# Altium PCB MC21R01.PcbDoc (part 2 of 5) (continued)
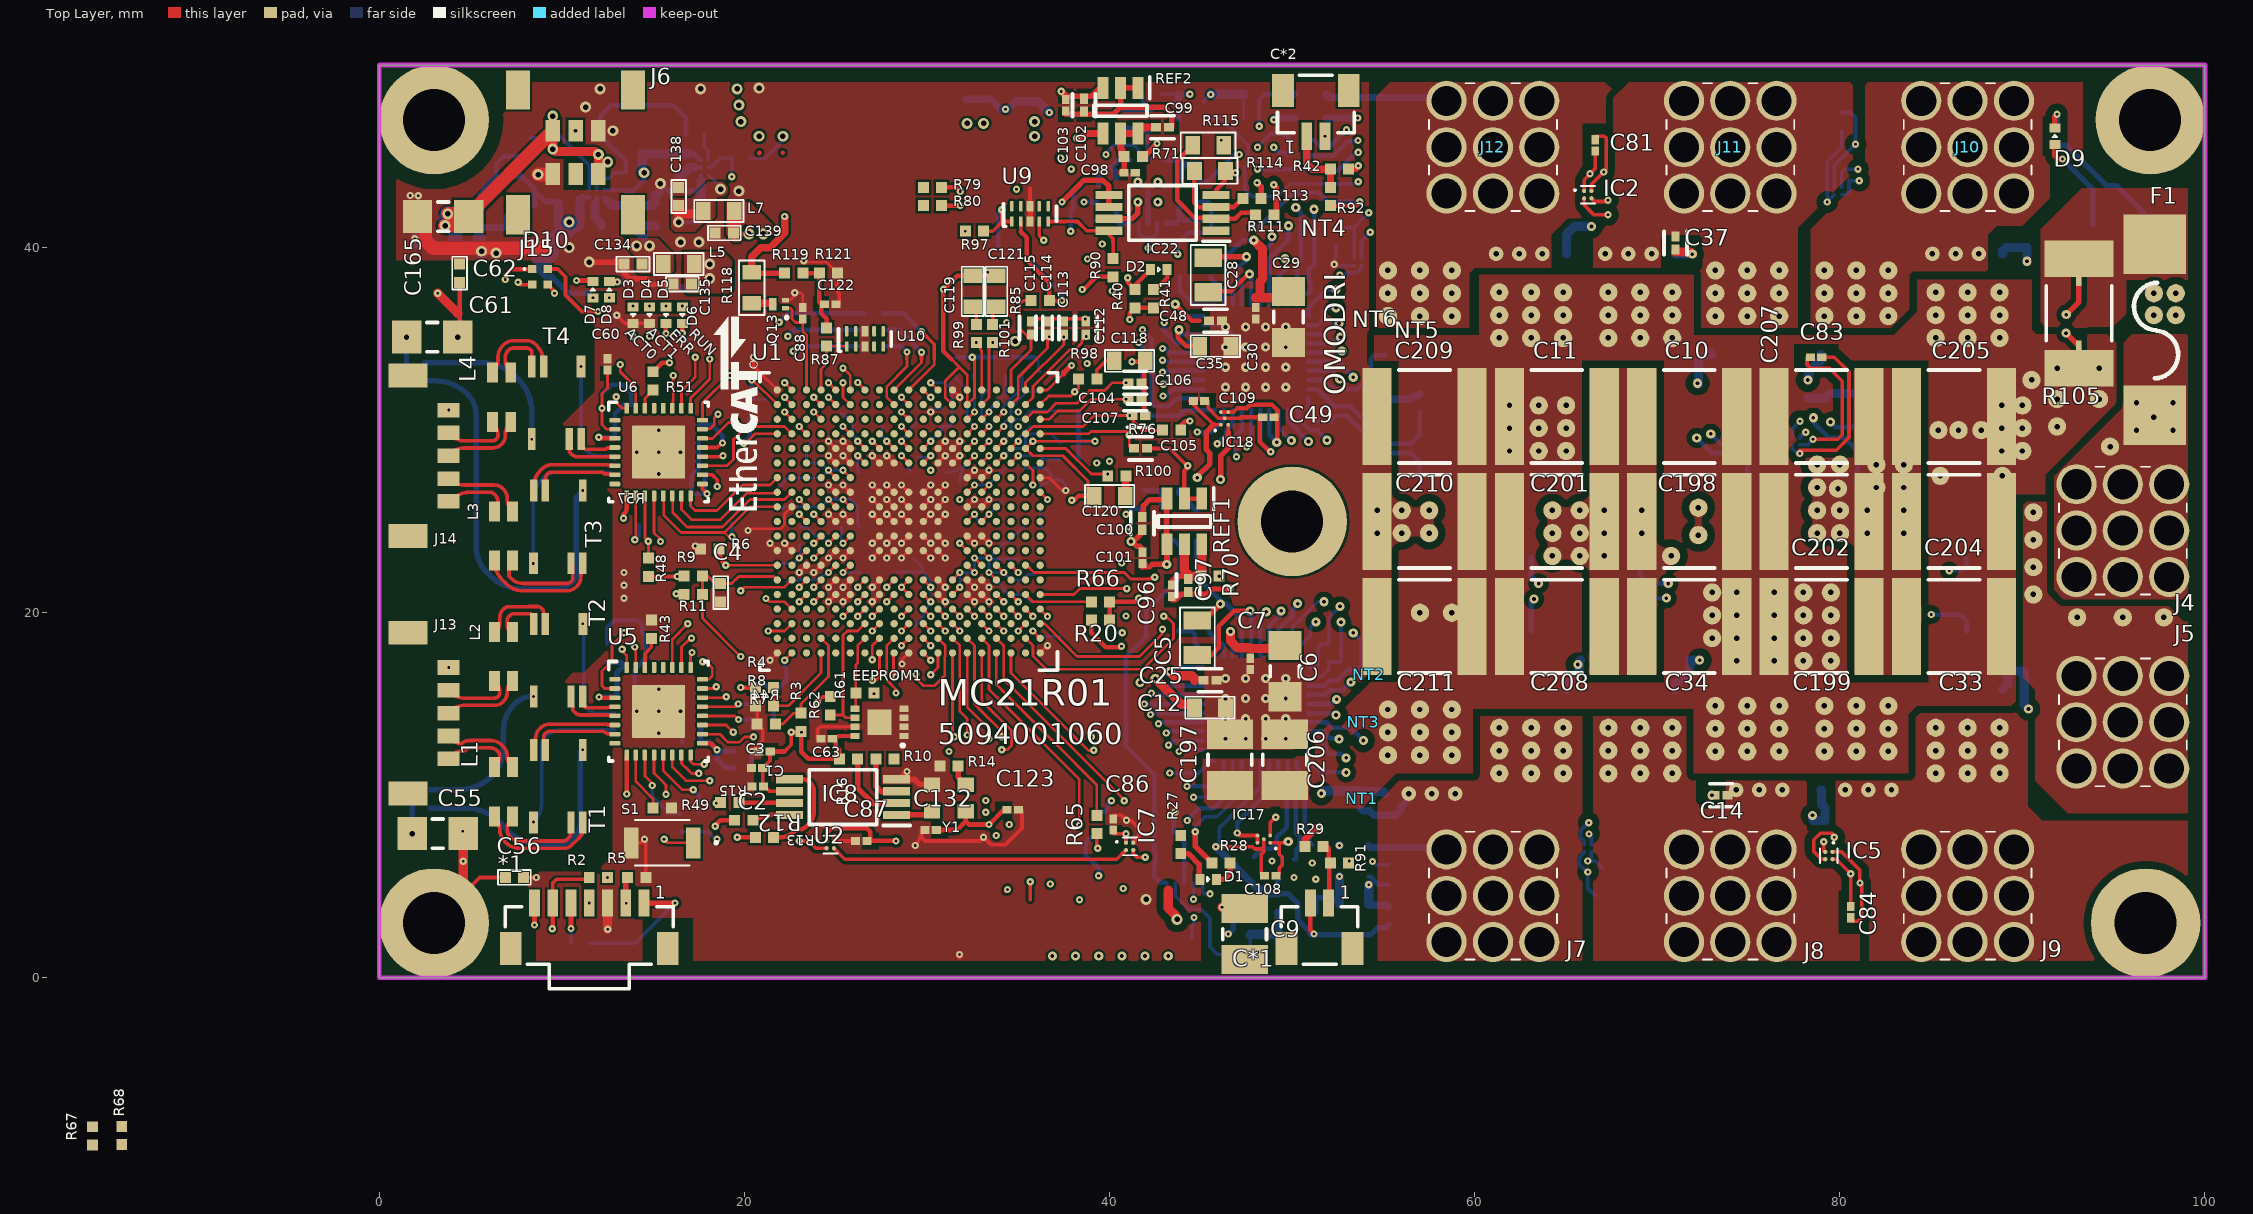
[diagram p0: Top Layer view]
## Part data (continued)
R24 R25 R26 R37 R38 R39: library part "0.005R/3W 1% 2512 Shunt", "0.005R/3W 1% 2512 shunt SMD Resistor", Manufacturer 1=Bourns, Manufacturer Part Number 1=CRE2512-FZ-R005E-3, Supplier Part Number 1=2434014, Supplier 1=Farnell
R33: library part "47K/50V 1% 0402 100mW", "47K/50V 1% 0402 100mW SMD Resistor", Manufacturer 1=Vishay, Manufacturer Part Number 1=CRCW060347K0FKEA, Supplier Part Number 1=1469811, Supplier 1=Farnell
R43 R44 R46 R51 R52 R54: library part "2.49K/50V 1% 0402 100mW", "2.49K/50V 1% 0402 100mW SMD Resistor", Manufacturer 1=Vishay, Manufacturer Part Number 1=CRCW04022K49FKED, Supplier Part Number 1=1469690, Supplier 1=Farnell
R45 R47 R53 R55: library part "75R/50V 1% 0402 100mW", "75R/50V 1% 0402 100mW SMD Resistor", Manufacturer 1=Vishay, Manufacturer Part Number 1=RC0402FR-071KL, Supplier Part Number 1=1469734, Supplier 1=Farnell
R49 R57: library part "6.49K/50V 1% 0402 100mW", "6.49K/50V 1% 0402 100mW SMD Resistor", Manufacturer 1=Vishay, Manufacturer Part Number 1=CRCW04026K49FKED, Supplier Part Number 1=1469727, Supplier 1=Farnell
R73 R74 R75 R76 R79 R80 R82 R83 R84 R85 R89 R90 R91 R92 R94 R95 R96 R97: library part "56R/50V 1% 0402 100mW", "56R/50V 1% 0402 100mW SMD Resistor", Manufacturer 1=Vishay, Manufacturer Part Number 1=CRCW040256R0FKEDHP, Supplier Part Number 1=1738833, Supplier 1=Farnell
R98 R99 R100 R101: library part "0.1R/50V 1% 0402 100mW", "0.1R/50V 1% 0402 100mW SMD Resistor", Manufacturer 1=Yageo, Manufacturer Part Number 1=RC0402FR-071KL, Supplier Part Number 1=1284586, Supplier 1=Farnell
R104 R110 R117 R119: library part "100k/50V 1% 0402 100mW", "100k/50V 1% 0402 100mW SMD Resistor", Manufacturer 1=Vishay, Manufacturer Part Number 1=CRCW0402100KFKED, Supplier Part Number 1=1469671, Supplier 1=Farnell
R105: library part "0.001R/5W 1% 2512 Shunt", "0.001R/5W 1% 2512 shunt SMD Resistor", Manufacturer 1=Bourns, Manufacturer Part Number 1=CSS2H-2512R-1L00F, Supplier Part Number 1=2576347, Supplier 1=Farnell
R111 R113: library part "0R/100V 1% 0402 63mW", "0R/100V 1% 0402 63mW SMD Resistor", Manufacturer 1=Bourns, Manufacturer Part Number 1=CR0402-J/-000GAS, Supplier Part Number 1=2752981, Supplier 1=Farnell
R118: library part "4K7/75V 5% 0603 100mW", "4K7/75V 5% 0603 100mW SMD Resistor", Manufacturer 1=Yageo, Manufacturer Part Number 1=RC0603JR-074K7L, Supplier Part Number 1=9233466, Supplier 1=Farnell
R123 R124 R125 R126 R127 R128: library part "0.001R/0.5W 1% 2010 Shunt", "0.001R/0.5W 1% 2010 shunt SMD Resistor", Manufacturer 1=Vishay, Manufacturer Part Number 1=WSL20101L000FEA, Supplier Part Number 1=2678801RL, Supplier 1=Farnell
REF1: "3V3 Low-drift Low power Voltage reference 10ppm/ºC", Manufacturer_Name="Texas Instruments", Supplier Part Number 1=595-REF3433IDBVR, Datasheet Link=http://www.ti.com/lit/gpn/ref3430, Height=1.45mm, Manufacturer_Part_Number=REF3433IDBVR, Supplier 1=Mouser
REF2: "3V Low-drift Low power Voltage reference 10ppm/ºC", Manufacturer_Name="Texas Instruments", Supplier Part Number 1=595-REF3430IDBVR, Datasheet Link=http://www.ti.com/lit/gpn/ref3430, Height=1.45mm, Manufacturer_Part_Number=REF3430IDBVR, Supplier 1=Mouser
S1: "Tactile switch, top actuator", Manufacturer="Omron Electronics", Supplier Part Number 1=653-B3U-1000PM, Arrow Part Number=B3U-1000PM, Created by=AMP, Datasheet Link=https://componentsearchengine.com/Datasheets/1/B3U-1000PM.pdf, Height=1.75mm, Manufacturer Part Number=B3U-1000PM, Mouser Price/Stock=https://www.mouser.co.uk/ProductDetail/Omron-Electronics/B3U-1000PM?qs=hnUcNC2tU0oiJUWqjOlHqA%3D%3D, Published=26-08-2020, Supplier 1=Mouser
T1 T2 T3 T4: "WE-STST Super Tiny Signal Transformer, size 4532, 350uH", Inductance=350uH, Insulation Test Voltage=1500VRMS, Operating Temperature="-40 to +105degC", ComponentLink1Description=Manufacturer, ComponentLink1URL=http://www.we-online.de, ComponentLink2Description=Datasheet, ComponentLink2URL=https://katalog.we-online.com/pbs/datasheet/74930000.pdf, Mounting Technology=SMT, Packaging="Tape and Reel", Part Number=74930000, Published Date="November 2019", Publisher="Wurth Elektronik", Size=4532, Turns Ratio=1:1
U1: library part TMS320F28388, "TMS320F28388DZWTS, ZWT0337A (NFBGA-337)", Alternate Manufacturer="Texas Instruments", AEC Category=Q200, AEC Qualified=N, ComponentLink1Description="Datasheet Link", ComponentLink1URL=http://www.ti.com/lit/ds/symlink/tms320f28388d.pdf, ComponentLink2Description="Product Folder", ComponentLink2URL=http://www.ti.com/product/tms320f28388d, ComponentLink3Description="Online Datasheet", ComponentLink3URL=http://www.ti.com/product/tms320f28388d/datasheet, CompType=IC, Manufacturer="Texas Instruments", MountType=SMT, PackageDescription=NFBGA-337, PackageReference=ZWT0337A, PartNumber=TMS320F28388DZWTS, SizeArea_mm2=256, SizeAreaWB_mm2=324, SizeX_mm=16, SizeY_mm=16, SizeZ_mm=1.4
U2: "Low Jitter, 1:4 LVCMOS Fan-out Clock Buffer, PW0008A (TSSOP-8)", Alternate Manufacturer="Texas Instruments", Supplier Part Number 1=595-LMK1C1104PWR, ComponentLink1Description="Datasheet Link", ComponentLink1URL=http://www.ti.com/lit/ds/symlink/cdclvc1104.pdf, CompType=IC, Green_EU RoHS=Passed, Green_EU RoHS-2=Passed, Green_Lifecycle=Active, Green_REACh=Passed, Manufacturer="Texas Instruments", MountType=SMT, PackageDescription=TSSOP-8, PackageReference=PW0008A, PartNumber=LMK1C1104PWR, Publisher="Texas Instruments", RoHS=Y, SizeArea_mm2=19.2, SizeAreaWB_mm2=42.0, SizeX_mm=6.4, SizeY_mm=3.0, SizeZ_mm=1.2, Supplier 1=Mouser, U/M=EA
U3 U4: "102-V max 3-phase smart gate driver with current shunt amplifiers", Manufacturer="Texas Instruments", Manufacturer Part Number=DRV8353SRTAR, PartNumber=DRV8353SRTAR, Pricing 1="2000=3,20540, 4000=3,09430, 10000=3,08440, 50000=3,06460 (USD)", RefDes=RefDes, RoHS=No, Stock 1=2000, Supplier 1=Arrow, Supplier Part Number 1=DRV8353SRTAR, Type=TYPE
U5 U6: "Low latency 10/100-Mbps PHY, MII interface and enhanced mode with an industrial temperature range 32-VQFN -40 to 85", Manufacturer="Texas Instruments", ComponentLink1Description=https://octopart.com/click/track?ai=8629&ct=datasheets&sig=00cfb32&at=physicalpart&sid=370&ppid=108112645&hlid=29178382&src-supplier=TI+store, ComponentLink1URL=https://octopart.com/click/track?ai=8629&ct=datasheets&sig=00cfb32&at=physicalpart&sid=370&ppid=108112645&hlid=29178382&src-supplier=TI+store, Manufacturer Part Number=DP83826IRHBR, Pricing 1="3000=1,00750, 6000=0,96850, 12000=0,92300, 18000=0,89700, 24000=0,86450 (USD)", Supplier 1=Avnet, Supplier Part Number 1=DP83826IRHBR
U8 U9 U10: "ESD Solution for High-Speed Differential Interface, 4 Channels, -40 to +85 degC,10-pin SON (DQA), Green (RoHS & no Sb/Br)", Breakdown Voltage(Min)(V)=9, Differential Capacitance(pF)=0.05, IO Capacitance(Typ)(pF)=0.8, IO Leakage Current(nA)=10, Manufacturer="Texas Instruments", 1394 / Firewire=TRUE, ComponentLink1Description="Manufacturer URL", ComponentLink1URL=http://www.ti.com/, ComponentLink2Description=Datasheet, ComponentLink2URL=http://www.ti.com/general/docs/lit/getliterature.tsp?genericPartNumber=TPD4S010&fileType=pdf, ComponentLink3Description="URL Link1", ComponentLink3URL=SamplesURL:http://www.ti.com/product/tpd4s010#samples, DatasheetVersion=SLVS817E, Eco-Plan="Green (RoHS & no Sb/Br)", IEC 61000-4-2 Air-Gap(+/- kV)=9, IEC 61000-4-2 Contact(+/- kV)=8, Mounting Technology="Surface Mount", PackageDescription="10-Pin Plastic Small Outline No-Lead, 1 x 2.5 x 0.55 mm Body, 0.5 mm Pitch", PackageReference=DQA0010A, PackageVersion="revB, Sep-2009", PartNumber=TPD4S010DQAR, Serial ATA / eSATA=TRUE, SubFamily="ESD Solution"
Y1: library part CMP-0082061-1, "Oscillator, 25 MHz, 15 pF, SMD", Frequency Stability="10 ppm", Frequency_Fixed=25MHz, Load Capacitance="15 pF", Manufacturer="ECS Inc.", Supplier Part Number 1=XC2198CT-ND, AEC Category=Q200, AEC Grade=N/A, AEC Qualified=N, ComponentLink1Description="Datasheet Link", ComponentLink1URL=https://www.ecsxtal.com/store/pdf/ECS-2520S.pdf, CompType=Oscillator, MountType=SMT, PackageReference=2x2.5mm, PartNumber=ECS-2520S33-250-FN-TR, RoHS=Y, SizeArea_mm2=5, SizeAreaWB_mm2=10.5, SizeX_mm=2, SizeY_mm=2.5, SizeZ_mm=1, Supplier 1=Digi-Key, Supplier 2=Mouser, Supplier Part Number 2=520-2520S33-250-FNT, TaMax_C=85°C, TaMin_C=-40°C

## Free pads (board coordinates)
  round 6 hole 3.4: 16(3,3) 16(3,47) 16(96.75,3) 16(97,47)
  round 6 / inner round 5 / far side round 6 hole 3.4: 16(50,25)
  round 1 hole 0.3: 17(54.657,24.36) 17(54.657,25.61) 17(55.25,12.2) 17(55.25,13.45) 17(55.25,14.7) 17(55.25,36.25) 17(55.25,37.5) 17(55.25,38.75) 17(56.007,24.36) 17(56.007,25.61) 17(57,12.2) 17(57,13.45) 17(57,14.7) 17(57,20) 17(57,36.25) 17(57,37.5) 17(57,38.75) 17(57.507,24.36) 17(57.507,25.61) 17(58.75,12.2) 17(58.75,13.45) 17(58.75,14.7) 17(58.75,20) 17(58.75,36.25) 17(58.75,37.5) 17(58.75,38.75) 17(61.344,11.2) 17(61.344,12.45) 17(61.344,13.7) 17(61.344,35.05) 17(61.344,36.3) 17(61.344,37.55) 17(61.907,28.86) 17(61.907,30.11) 17(61.907,31.36) 17(63.094,11.2) 17(63.094,12.45) 17(63.094,13.7) 17(63.094,35.05) 17(63.094,36.3) 17(63.094,37.55) 17(63.507,28.86) 17(63.507,30.11) 17(63.507,31.36) 17(64.257,23.11) 17(64.257,24.36) 17(64.257,25.61) 17(64.844,11.2) 17(64.844,12.45) 17(64.844,13.7) 17(64.844,35.05) 17(64.844,36.3) 17(64.844,37.55) 17(65.007,28.86) 17(65.007,30.11) 17(65.007,31.36) 17(65.757,23.11) 17(65.757,24.36) 17(65.757,25.61) 17(67.107,23.11) 17(67.107,24.36) 17(67.107,25.61) 17(67.321,11.2) 17(67.321,12.45) 17(67.321,13.7) 17(67.321,35.05) 17(67.321,36.3) 17(67.321,37.55) 17(69.071,11.2) 17(69.071,12.45) 17(69.071,13.7) 17(69.071,35.05) 17(69.071,36.3) 17(69.071,37.55) 17(69.157,24.36) 17(69.157,25.61) 17(70.757,23.11) 17(70.821,11.2) 17(70.821,12.45) 17(70.821,13.7) 17(70.821,35.05) 17(70.821,36.3) 17(70.821,37.55) 17(72.25,24.25) 17(72.25,25.75) 17(73.007,18.61) 17(73.007,19.86) 17(73.007,21.11) 17(73.179,12.4) 17(73.179,13.65) 17(73.179,14.9) 17(73.179,36.25) 17(73.179,37.5) 17(73.179,38.75) 17(74.357,17.36) 17(74.357,18.61) 17(74.357,19.86) 17(74.357,21.11) 17(74.929,12.4) 17(74.929,13.65) 17(74.929,14.9) 17(74.929,36.25) 17(74.929,37.5) 17(74.929,38.75) 17(76.407,17.36) 17(76.407,18.61) 17(76.407,19.86) 17(76.407,21.11) 17(76.679,12.4) 17(76.679,13.65) 17(76.679,14.9) 17(76.679,36.25) 17(76.679,37.5) 17(76.679,38.75) 17(78.007,17.36) 17(78.007,18.61) 17(78.007,19.86) 17(78.007,21.11) 17(78.757,24.36) 17(78.757,25.61) 17(78.757,26.86) 17(78.757,28.11) 17(79.156,12.4) 17(79.156,13.65) 17(79.156,14.9) 17(79.156,36.25) 17(79.156,37.5) 17(79.156,38.75) 17(79.507,17.36) 17(79.507,18.61) 17(79.507,19.86) 17(79.507,21.11) 17(79.9,26.8) 17(80.007,24.36) 17(80.007,25.61) 17(80.007,28.11) 17(80.906,12.4) 17(80.906,13.65) 17(80.906,14.9) 17(80.906,36.25) 17(80.906,37.5) 17(80.906,38.75) 17(81.507,24.36) 17(81.507,25.61) 17(82,26.86) 17(82,28.11) 17(82.656,12.4) 17(82.656,13.65) 17(82.656,14.9) 17(82.656,36.25) 17(82.656,37.5) 17(82.656,38.75) 17(83.507,24.36) 17(83.507,25.61) 17(83.507,26.86) 17(83.507,28.11) 17(85.25,11.2) 17(85.25,12.45) 17(85.25,13.7) 17(85.25,35.05) 17(85.25,36.3) 17(85.25,37.55) 17(85.4,30) 17(85.5,27.5) 17(86.5,30) 17(87,11.2) 17(87,12.45) 17(87,13.7) 17(87,35.05) 17(87,36.3) 17(87,37.55) 17(87.75,30) 17(88.75,11.2) 17(88.75,12.45) 17(88.75,13.7) 17(88.75,35.05) 17(88.75,36.3) 17(88.75,37.55) 17(88.857,28.86) 17(88.857,30.11) 17(88.857,31.36) 17(88.9,27.5) 17(90,28.86) 17(90,30.11) 17(90,31.36) 17(90.5,32.75) 17(90.6,21) 17(90.6,22.5) 17(90.6,24) 17(90.6,25.5) 17(91.9,30.2) 17(91.9,31.7) 17(91.9,33.4) 17(93,19.75) 17(94.2,31.7) 17(94.2,33.4) 17(94.8,29.1) 17(95.5,19.75) 17(96.25,30) 17(96.25,31.5) 17(97.2,30.7) 17(97.2,36.3) 17(97.2,37.5) 17(97.75,19.75) 17(98.25,30) 17(98.25,31.5) 17(98.4,36.3) 17(98.4,37.5)
  round 0.8 hole 0.3: 17(56.385,10.092) 17(57.655,10.092) 17(58.925,10.092) 17(61.169,39.657) 17(62.439,39.657) 17(63.709,39.657) 17(67.146,39.657) 17(68.416,39.657) 17(69.686,39.657) 17(74.314,10.292) 17(75.584,10.292) 17(76.854,10.292) 17(80.291,10.292) 17(81.561,10.292) 17(82.831,10.292) 17(85.075,39.657) 17(86.345,39.657) 17(87.615,39.657)

## Via types
v1: diameter 0.4, hole 0.15, Top Layer to Bottom Layer, 497 vias
v2: diameter 0.5, hole 0.2, Top Layer to Bottom Layer, 122 vias
v3: diameter 0.6, hole 0.3, Top Layer to Bottom Layer, 45 vias
v4: diameter 0.4/0.4/0.4/0.4/0.4/0.4/0.4/0.4 (per signal layer), hole 0.15, Top Layer to Bottom Layer, 1 vias

## Nets (pads, with @x,y where several pads share a name; then routed paths per layer and width w, separated by ;. In a path a pad name is that pad's centre, name@x,y a point inside that pad or via, vN(x,y) a via of type N, cw(c..) or ccw(c..) an arc to the next point about the centre after c; other vN are vias at no path point)
1V2: C138.1 C176.1 IC23.C1 L7.2 L9.1 | length 4.5
  Top Layer w0.5: 16.4,41.85 17.6,41.85 L7.2@17.75,42
  Bottom Layer w0.2: IC23.C1@18.011,43.989 18.7,43.3 v3(18.7,43.2)
  Bottom Layer w0.25: v3@16.419,41.419 16.438,41.4 C176.1@17.55,41.4
  Bottom Layer w0.5: v3@16.419,41.419 16.419,42.209 L9.1@16.46,42.25
  other v3: 16.4,41.4
1V2_PG: IC23.B1 R11.2 R117.1 | length 29.7
  Top Layer w0.2: v1(16.259,21.041) 16.3,21 R11.2@16.7,21
  Layer 3 w0.15: v1(16.259,21.041) 17.8,22.582 17.8,25.8 17.5,26.1 17.5,29.1 20.5,32.1 21.497,33.097 21.497,33.9 21.497,39.497 21.595,39.595 21.595,42.305 20.025,43.875 v1(19.3,43.875)
  Layer 7 w0.2: v1@19.293,43.875 v1(19.3,43.875)
  Bottom Layer w0.2: IC23.B1@18.011,44.389 18.031,44.409 18.168,44.409 18.659,44.9 R117.1@19.3,44.9 v1(19.3,43.875)
3V3: C134.1 C136.1 C173.1 C174.1 C175.1 D8.A IC21.C1 IC23.A2 L5.2 L6.2 L8.1 R110.2 R117.2 | length 41.1
  Top Layer w0.25: 22.095,45.2 22.1,45.195
  Layer 3 w0.3: v1(12.6,37.25) 12.6,37.5 12.3,37.8 12.3,39 13.4,40.1 v3(14.1,40.1)
  Layer 7 w1: v3(22.1,46.1) 22.1,44.857 30.757,44.857 32.2,46.3 v3(32.2,46.8) v3(33.1,46.8)
  Layer 7 w1.25: 14.3,40.6 14.3,42.938 14.225,43.013 14.225,43.987 14.913,44.675 15.095,44.857 22.1,44.857
  Bottom Layer w0.2: IC21.C1@12.3,43.17 13.43,43.17 R110.2@13.5,43.1 ; R117.2@20.3,44.9 21.135,44.9 22.1,45.865 v3(22.1,46.1)
  Bottom Layer w0.25: R110.2@13.5,43.1 13.9,43.1 14.5,43.7 v3(14.5,44.1) ; 16.9,45.139 17.261,45.139 IC23.A2@17.611,44.789
  Bottom Layer w0.5: L8.1@13.85,41.2 L8.1@13.875,41.175 ; 14.493,40.557 14,41.05 L8.1@13.875,41.175 ; v3(14.5,44.1) 14.5,44.127 14.4,44.227 C174.1@14.4,45.15 14.425,45.125 15.575,45.125 15.6,45.1 15.639,45.139 16.9,45.139 ; C173.1@15.1,41.15 15.075,41.175 L8.1@13.875,41.175
  other v3: 14.8,40.1
3V3_PG: IC21.B1 R110.1 R116.2 | length 12
  Bottom Layer w0.2: IC21.B1@11.9,43.17 11.906,43.176 11.906,43.554 12.152,43.8 12.6,43.8 12.9,44.1 13.111,44.1 R110.1@13.5,44.1
  Bottom Layer w0.25: R110.1@13.5,44.1 13.5,44.745 12.52,45.725 12.1,46.145 12.1,47.2 12.7,47.8 16.1,47.8 16.8,47.1 R116.2@16.8,46.2
5V: C168.1 C171.1 C172.1 D7.A IC20.6 IC20.7 IC21.A2 R104.2 | length 27.6
  Top Layer w0.25: 20.8,45.175 20.825,45.2
  Top Layer w0.4: D7.A@11.7,37.25 v1(11.705,37.25)
  Layer 4 w1: v3(10.4,41.4) 14.7,41.4 15.8,42.5 16.4,42.5 18.8,44.9 19.6,44.9 v3(20.8,46.1)
  Bottom Layer w0.25: 11.128,42.77 IC21.A2@11.5,42.77
  Bottom Layer w0.3: R104.2@7.4,43.9 7.8,43.9 8.2,43.5 8.5,43.2 8.5,42.9 IC20.6@8.525,42.9 ; IC20.7@8.525,42.3 IC20.6@8.525,42.9 ; C171.1@8.75,39.4 8.75,38.75 9.1,38.4 9.471,38.4 10.371,37.5 11.266,37.5 11.455,37.5 v1(11.705,37.25) ; C168.1@9.8,42.45 9.75,42.5 9.1,42.5 8.7,42.9 IC20.6@8.525,42.9
  Bottom Layer w0.4: 11,42.642 11.128,42.77
  Bottom Layer w0.5: C168.1@9.8,42.45 9.8,41.25 9.95,41.1 ; 10.4,41.1 10.9,41.1 11,41.2 11,42.642
  Bottom Layer w0.75: C171.1@8.75,39.4 9.2,39.4 9.475,39.675 9.475,40.383 10.017,40.925 10.4,40.925 10.4,41.1 v3(10.4,41.4)
5V_PG: IC20.5 R104.1 R109.2 | length 4.3
  Bottom Layer w0.25: IC20.5@5.475,42.9 5.65,42.9 5.675,42.925 5.675,43.175 R104.1@6.4,43.9 6.4,44.6 6.8,45 R109.2@8.3,45
24V: C6.1 C7.1 C29.1 C30.1 C165.1 C166.1 C167.1 IC20.3 IC20.4 J6.1 J15.1 U3.3 U4.3 | length 107.3
  Top Layer w0.5: J6.1@9.5,46.4 v3(9.5,45.4) 9.527,45.4 9.666,45.261 11.812,45.261 11.973,45.1 v3(12,45.1) J15.1@12,44.03 ; v2(46.625,18.969) 46.625,18.459 47,18.084 47.666,18.084 47.7,18.05 49.45,18.05 C6.1@49.6,18.2 ; v2(47.9,40.4) 48.375,39.925 48.375,38.277 48.25,38.152 48.25,37.4 48.1,37.25 ; 48,37.25 48.1,37.25 ; C29.1@49.8,37.6 49.45,37.25 48.1,37.25
  Top Layer w0.75: v3(3.6,41.2) 4.475,41.2 4.7,41.425 C165.1@4.7,41.9 ; v3(3.75,41.85) 4.65,41.85 C165.1@4.7,41.9 ; C165.1@4.9,41.7 C165.1@4.7,41.9 ; C165.1@4.9,41.8 9.275,46.175 9.475,46.175 9.5,46.2 J6.1@9.5,46.4
  Layer 2 w0.75: v3(3.6,41.2) 3.6,41.7 v3(3.75,41.85) 5.05,41.85 8.6,45.4 v3(9.5,45.4) 9.8,45.1 v3(12,45.1) 12.191,45.1 v3@12.491,44.8 ; 14.117,45.025 14.525,45.025 14.7,45.2
  Layer 7 w0.4: v3(19.8,46.9) 20.2,47.3 25.3,47.3 26.6,46 28.659,46 28.664,45.995 29.496,45.995 29.501,46 29.8,46 31.931,48.131 37.038,48.131 37.137,48.032 37.572,48.032 42.968,48.032 44.6,46.4 44.6,43.9 46.75,41.75 46.75,40.4 ; v2(46.625,18.969) 46.231,18.969 45.1,20.1 45.1,25.4 47,27.3 46.998,27.302 48.1,28.403 48.1,29.9 47.6,30.4 46.8,30.4 45.3,31.9 45.3,38.031 46.75,39.481 46.75,40.4 ; v2(47.9,40.4) 46.75,40.4
  Bottom Layer w0.25: v2(46.625,18.969) 46.75,18.969 U3.3@46.75,17.625 ; U4.3@46.75,36.9 46.75,37.75 46.4,38.1 46.4,39.5 47.3,40.4 v2(47.9,40.4)
  Bottom Layer w0.3: IC20.3@5.475,41.7 5.475,42 IC20.4@5.475,42.3
  Bottom Layer w0.5: 4.25,42 5.475,42
  Bottom Layer w0.75: v3(3.6,41.2) 3.8,41.4 3.6,41.6 3.8,41.8 v3(3.75,41.85) ; C167.1@3.7,41.9 v3(3.75,41.85) ; C166.1@4.05,40.3 4.175,40.425 4.175,41.825 4.25,41.9 4.25,41.925 ; 4.25,42 4.25,41.925 ; v3(3.75,41.85) 4.175,41.85 4.225,41.9 4.25,41.925
  other v3: 12.514,44.695 9.5,47.2 19.7,47.8 19.6,48.7
25MHZ_CLK: U2.1 Y1.3 | length 2
  Top Layer w0.3: U2.1@28.338,8.925 30.082,8.925 Y1.3@30.275,9.118
1415_N: C111.2 R80.1 U1.U4 | length 17.7
  Top Layer w0.15: U1.U4@33.8,30.6 v1@34.127,30.927 ; v1@34.171,31.029 v1@34.169,31.014 ; v1@34.169,31.014 cw(c34.021,31.033) 34.128,30.928 ccw(c34.021,31.033) v1@34.169,31.014
  Top Layer w0.25: R80.1@30.8,42.3 31.804,42.3 v1(31.814,42.31)
  Layer 2 w0.15: v1(31.814,42.31) 31.814,42.186 35.764,38.236 35.764,33.9 35.764,33.227 34.2,31.663 v1(34.2,31)
  Bottom Layer w0.15: v1@34.171,31.029 34.171,31.287 35.2,32.316 C111.2@35.2,33
1415_P: C110.2 R79.1 U1.T4 | length 20.2
  Top Layer w0.15: U1.T4@33.8,29.8 v1(34.2,30.2)
  Top Layer w0.25: R79.1@30.8,43.3 31.599,43.3 v1(31.827,43.072)
  Layer 2 w0.15: v1@31.828,43.072 32.5,42.4 32.5,42.1 36.1,38.5 36.1,33.9 36.1,33.1 34.6,31.6 34.6,30.826 34.2,30.426 v1(34.2,30.2)
  Bottom Layer w0.15: v1(34.2,30.2) 34.2,30.355 34.6,30.755 34.6,31.242 35.458,32.1 C110.2@36.1,32.1
A0A1_N: C105.2 R74.1 U1.T1 | length 36.2
  Top Layer w0.15: U1.T1@36.2,29.8 38.858,29.8 38.983,29.925 41.075,29.925 ; v1(41.075,29.725) 41.075,29.125 C105.2@41.2,29
  Layer 4 w0.15: 41.075,29.925 41.7,30.55 41.7,34.088 41.982,34.371 ccw(c41.6,34.8) 42.029,34.418 42.407,34.795 42.407,38.193 41.6,39 39.94,39 39.015,39.925 39,39.925 39,40.6 39.6,41.2 39.6,42.458 39.2,42.858 39.2,45.278 40.312,46.39 46.705,46.39 47.595,45.5 v1(48.1,45.5)
  Bottom Layer w0.25: v1(48.1,45.5) 48.1,45.513 48.812,46.225 49.479,46.225 49.529,46.175 49.625,46.175 R74.1@49.8,46
A0A1_P: C104.2 R73.1 U1.U1 | length 37.7
  Top Layer w0.15: U1.U1@36.2,30.6 36.7,30.6 37.15,31.05 38.358,31.05 39.008,31.7 v1(40.9,31.7)
  Layer 3 w0.15: v1(40.9,31.7) 41.3,31.7 41.9,31.1 41.9,29.85 41.075,29.025 41.075,28.16 39.651,26.736 39.651,15.068 40.558,14.161 40.558,13.242 43,10.8 43,8.891 45.391,6.5 v1@48.8,6.5
  other v1: 48.9,6.4
A2A3_N: C107.2 R76.1 U1.T2 | length 8.3
  Top Layer w0.15: U1.T2@35.4,29.8 35.8,30.2 38.537,30.2 39.137,30.8 v1(41.1,30.8)
  Top Layer w0.2: v1(41.1,30.8) 41.3,30.6 41.3,30.478 41.778,30 R76.1@42.9,30
A2A3_P: C106.2 R75.1 U1.U2 | length 40.9
  Top Layer w0.15: U1.U2@35.4,30.6 35.8,31 36.6,31 37.075,31.475 38.217,31.475 38.917,32.175 39.735,32.175 40.16,32.6 v1(40.9,32.6)
  Layer 3 w0.15: v1(40.9,32.6) 41.257,32.6 45.205,28.651 45.749,28.651 46.745,27.655 46.745,26.976 46.094,26.325 46.094,22.79 47.112,21.772 47.112,19.588 48.05,18.65 49.15,18.65 49.497,18.303 51,16.8 51,9.619 51.819,8.8 52,8.8 v1@54.4,6.4
  Bottom Layer w0.2: v1(54.399,6.378) 54.577,6.2 R75.1@55.301,6.2
A4A5_N: U1.T3
A4A5_P: U1.U3
ADC_3V0_REF: IC19.3 IC19.5 IC19.10 IC19.12 R71.1 | length 16.1
  Top Layer w0.3: R71.1@41.8,45 41.9,45 v1(42.6,45.7)
  Layer 4 w0.3: v1(42.112,39.977) 42.112,40.688 39.8,43 v1(39.8,45.1) 39.8,44.968 39.866,45.034 39.932,45.1 40.014,45.181 40.532,45.7 v1(42.6,45.7)
  Bottom Layer w0.2: v1@39.72,45.08 40.24,45.6 41.343,45.6 41.598,45.345 IC19.3@41.598,44.775 ; IC19.12@41.598,41.325 41.598,40.755 41.803,40.55 42.138,40.55 ; v1(42.112,39.977) 42.112,40.524 42.138,40.55 ; IC19.10@42.598,41.325 42.598,40.755 42.393,40.55 42.138,40.55
B0B1_N: C113.2 R83.1 U1.W2 | length 28.4
  Top Layer w0.15: U1.W2@35.4,32.2 35.4,32.6 37.5,34.7 C113.2@37.5,35.1
  Layer 2 w0.15: v1(37.487,35.101) 37.487,36.013 36.7,36.8 36.7,38.7 35.5,39.9 35.5,42.7 37.1,44.3 v1(37.9,44.3)
  Layer 3 w0.15: v1(37.9,44.3) 39.949,46.349 47.851,46.349 47.947,46.253 47.954,46.253 48.716,45.49 v1(48.999,45.49)
  Bottom Layer w0.25: v1(48.999,45.49) 48.999,45.463 49.247,45.215 49.574,45.215 R83.1@49.699,45.09
B0B1_P: C112.2 R82.1 U1.V2 | length 43.8
  Top Layer w0.15: U1.V2@35.4,31.4 35.8,31.8 35.8,32.4 37.8,34.4 38.1,34.4 38.475,34.775 38.475,34.875 38.7,35.1 38.739,35.1 38.769,35.13 v1(38.725,35.13)
  Layer 3 w0.15: v1(38.725,35.13) 38.43,35.13 37.3,34 37.3,33.9 37.3,33.393 37.3,29.033 37.5,28.833 38.854,27.479 38.854,14.682 39.806,13.73 39.806,13.017 42.34,10.483 42.34,8.556 45.131,5.765 48.015,5.765 48.28,5.5 50.059,5.5 v1(50.1,5.5)
B2B3_N: C115.2 R85.1 U1.W3 | length 6.2
  Top Layer w0.15: U1.W3@34.6,32.2 34.6,33.3 35.7,34.4 35.7,35.1 35.496,35.1 35.496,35.15 35.075,35.571 35.075,36.875 35.3,37.1 R85.1@35.7,37.1
B2B3_P: C114.2 R84.1 U1.V3 | length 44.5
  Top Layer w0.15: U1.V3@34.6,31.4 35,31.8 35,32.9 36.6,34.5 C114.2@36.6,35.1
  Top Layer w0.25: C114.2@36.6,35.1 36.521,35.1 36.509,35.111 v1(36.712,35.111)
  Layer 3 w0.15: v1(36.712,35.111) 36.934,34.89 36.934,33.9 36.934,28.873 37.5,28.307 38.5,27.307 38.5,14.53 39.509,13.521 39.509,12.865 42,10.374 42,8.467 45.031,5.436 47.637,5.436 47.996,5.077 50.977,5.077 v1(51.3,5.4)
B4B5_N: U1.W4
B4B5_P: U1.V4
BMSP0_GPIO72: R3.1 R7.2 U1.B16 | length 6.5
  Top Layer w0.15: R7.2@21.7,13.9 22.1,13.9 22.7,14.5 R3.1@23.1,14.5 23.1,15 24.6,16.5 24.6,18.2 U1.B16@24.2,18.6
BMSP1_GPIO73: R4.1 R8.2 U1.A16 | length 5.4
  Top Layer w0.15: R4.1@21.6,15.9 R8.2@21.6,14.9 22.4,14.9 24.2,16.7 U1.A16@24.2,17.8
BUS_CURR_ADCC3: IC22.8 R90.2 U9.5 | length 5.2
  Top Layer w0.2: U9.5@36.644,41.432 37.629,41.432 37.641,41.444 38.096,41.444 38.108,41.432 38.241,41.432 38.748,40.925 IC22.8@39.962,40.925 39.962,40.716 40.191,40.487 40.191,40.309 40.2,40.3 R90.2@40.2,39.4 R90.2@40.176,39.424
BUS_VOLT_ADCC2: C170.1 R89.2 R106.1 R108.2 U8.5 | length 25.5
  Bottom Layer w0.25: R89.2@41.9,26.7 C170.1@42.8,26.7 42.8,25.85 R108.2@43.05,25.6 R106.1@43.05,24 43.5,24 43.9,23.6 43.9,22 42,20.1 42,18.7 40.9,17.6 40.9,12.7 42.441,11.159 42.441,6.942 42.536,6.846 42.536,6.37 42.441,6.275 42.441,5.564 42.804,5.2 43.083,5.2 U8.5@43.1,5.183
C2C3_N: C130.1 R90.1 U1.P3 | length 19.5
  Top Layer w0.15: U1.P3@34.6,28.2 v1(35,28.6)
  Top Layer w0.25: v1(38.5,37.7) 38.575,37.7 39.275,38.4 R90.1@40.2,38.4
  Layer 2 w0.15: v1(35,28.6) 35.4,28.2 v1(39.3,28.2)
  Layer 3 w0.15: v1(38.5,37.7) 39.647,36.553 39.647,28.547 v1(39.3,28.2)
  Bottom Layer w0.15: v1(35,28.6) 36.2,28.6 36.4,28.4 C130.1@37.3,28.4
C2C3_P: C131.1 R89.1 U1.R3 | length 14.2
  Top Layer w0.15: U1.R3@34.6,29 v1(35,29.4)
  Layer 2 w0.15: v1(35,29.4) 35.569,29.969 37.5,29.969 39.343,29.969 40.9,28.412 v1(40.9,25.4)
  Bottom Layer w0.15: v1(35,29.4) 35,29.555 35.645,30.2 C131.1@37.3,30.2
  Bottom Layer w0.25: v1(40.9,25.4) 41.2,25.7 R89.1@41.9,25.7
C4C5_N: C128.1 R92.1 U1.P4 | length 37.3
  Top Layer w0.15: U1.P4@33.8,28.2 v1(34.2,28.6)
  Top Layer w0.25: R92.1@52.1,42.3 53.49,42.3 v1(53.7,42.51)
  Layer 2 w0.15: v1(34.2,28.6) 34.6,29 38.875,29 39.3,29 v1(40,28.3)
  Layer 3 w0.15: v1(40,28.3) 40,36.532 43.573,40.105 46.18,40.105 47.175,41.1 v1(47.8,41.1)
  Bottom Layer w0.15: v1(34.2,28.6) 34.6,29 35.166,29 35.4,29.234 35.4,29.566 35.634,29.8 36.8,29.8 C128.1@37.3,29.3
  Bottom Layer w0.25: v1(47.8,41.1) 48.145,41.1 49.525,42.48 50.045,43 51.484,43 51.984,42.5 53.7,42.5 v1(53.7,42.51)
C4C5_P: C129.1 R91.1 U1.R4 | length 44.3
  Top Layer w0.15: U1.R4@33.8,29 v1(34.2,29.4)
  Top Layer w0.25: R91.1@53.1,6.3 53.1,6.14 53.11,6.129 53.11,6.384 v1(53.126,6.399)
  Layer 2 w0.15: v1(34.2,29.4) 33.8,29 33.8,28.394 34.313,27.881 38.819,27.881 40.3,26.4 40.3,25.2 40.8,24.7 v1(41.05,24.7)
  Layer 3 w0.15: v1(41.05,24.7) 40.1,23.75 40.1,19.8 40.525,19.375 41.025,19.375 41.2,19.2 41.2,17.9 40.679,17.379 40.679,15.221 41.3,14.6 41.3,13.6 43.2,11.7 43.5,11.7 43.8,11.4 43.8,9.8 46.7,6.9 49.3,6.9 49.403,6.797 52.103,6.797 52.501,6.399 v1(53.126,6.399)
  Bottom Layer w0.14: 34.991,30.6 35.195,30.6
  Bottom Layer w0.15: v1(34.2,29.4) 34.6,29.8 34.6,30.034 34.6,30.366 34.834,30.6 34.9,30.6 34.991,30.6 ; 35.195,30.6 35.666,31.071 37.271,31.071 C129.1@37.3,31.1
CM_I2CA_SCL_GPIO105: U1.J3
CM_I2CA_SDA_GPIO104: U1.J2
CURR_SENSE_N: R105.3 R113.1 | length 60.9
  Top Layer w0.3: v1(48.082,43.55) 48.3,43.332 R113.1@48.3,42.7 ; v2(92.39,35.317) 93.1,34.607 R105.3@93.1,34.4
  Layer 7 w0.2: v1(48.082,43.55) 48.082,43.486 48.396,43.171 48.396,43.132 48.678,42.85 49.239,42.85 49.931,42.85 ; 49.931,42.85 50.469,42.85 51.75,42.85 51.9,42.7 51.9,40.766 51.1,39.966 51.1,32.334 51.834,31.6 54.1,31.6 54.988,32.488 55,32.5 56.096,33.596 60.696,33.596 60.7,33.6 71.7,33.6 72.617,34.517 83.317,34.517 84.157,33.677 89.577,33.677 91.217,35.317 v2(92.39,35.317)
CURR_SENSE_P: R105.4 R111.2 | length 62
  Top Layer w0.3: v1(48.991,43.45) 49.121,43.32 49.121,41.921 R111.2@49,41.8 ; v2(92.403,36.331) 93.1,37.028 R105.4@93.1,38.4
  Layer 7 w0.2: v1(48.991,43.45) 51.716,43.45 52.3,42.866 52.3,40.6 51.5,39.8 51.5,32.5 52,32 53.934,32 54.988,33.054 55,33.066 55.989,34.054 71.589,34.054 72.451,34.917 83.483,34.917 84.323,34.077 89.411,34.077 91.666,36.331 v2(92.403,36.331)
D0D1_N: C126.1 R95.1 U1.U5 | length 28.9
  Top Layer w0.15: U1.U5@33,30.6 v1@33.397,31
  Layer 2 w0.15: v1@33.4,31.028 33.4,33.572 33.728,33.9 34.15,34.322 34.15,35.703 v1(34.35,35.903)
  Layer 2 w0.25: v1@48.071,44.271 v1(48.1,44.3)
  Layer 3 w0.15: v1(34.35,35.903) 35.105,35.903 36.9,37.698 38.008,38.806 39.306,38.806 41.755,41.256 44.775,41.256 47.775,44.255 48.055,44.255 v1(48.1,44.3)
  Bottom Layer w0.15: v1@33.397,31 33.397,31.097 34.3,32 C126.1@34.3,33
  Bottom Layer w0.25: v1(48.1,44.3) 51.4,44.3 R95.1@51.5,44.2
  other v1: 33.4,31
D0D1_P: C127.1 R94.1 U1.T5 | length 49.1
  Top Layer w0.15: U1.T5@33,29.8 v1(33.4,30.2)
  Layer 2 w0.15: v1(33.4,30.2) 33.8,29.8 34.4,29.8 34.6,30 34.6,30.4 34.8,30.6 37.5,30.6 37.678,30.6 38.77,31.693 v1(38.77,33.654)
  Layer 3 w0.15: v1(38.77,33.654) 38.552,33.436 38.552,31.552 38.025,31.025 38.025,28.821 39.253,27.594 39.253,14.908 40.191,13.97 40.191,13.12 42.704,10.607 42.704,8.682 45.323,6.064 48.423,6.064 48.545,5.942 49.729,5.942 50.084,6.297 v1(51.107,6.297)
  Bottom Layer w0.15: v1(33.4,30.2) 33,30.6 33,31.903 33.4,32.303 C127.1@33.4,33
  Bottom Layer w0.3: R94.1@51.1,6.3 51.103,6.297 v1(51.107,6.297)
D2D3_N: C124.1 R97.1 U1.U6 | length 12.8
  Top Layer w0.15: U1.U6@32.2,30.6 v1(32.6,31)
  Layer 2 w0.15: v1(32.1,40.9) 32,40.8 32,39.755 32,39.613 32,33.9 32,32.96 32.6,32.36 v1(32.6,31)
  Bottom Layer w0.15: C124.1@32.5,33 32.6,32.9 v1(32.6,31)
D2D3_P: C125.1 R96.1 U1.T6 | length 40.1
  Top Layer w0.15: U1.T6@32.2,29.8 v1(32.6,30.2)
  Layer 2 w0.15: v1(32.6,30.2) 32.612,30.2 33,29.812 33,28.434 33.234,28.2 33.566,28.2 33.8,27.966 33.8,27.776 34.176,27.4 36.512,27.4 37.018,26.895 37.018,26.44 40.152,23.306 40.903,23.306 41.612,22.596 41.612,21.9 42.212,21.3 42.212,18.5 40.612,16.9 40.612,10.688 41.5,9.8 41.5,6.438 v1(44.629,3.309)
  Bottom Layer w0.125: C125.1@31.6,33 31.6,32.8 32.2,32.2 32.2,30.999
  Bottom Layer w0.15: 32.2,30.999 32.2,30.7 ccw(c32.441,30.7) 32.271,30.529 v1(32.6,30.2)
  Bottom Layer w0.2: R96.1@44.5,2.2 44.5,2.8 44.629,2.929 v1(44.629,3.309)
D4D5_N: U1.U7
D4D5_P: U1.T7
DRV1_2_CLK_GPIO18: U1.E3 U3.29 U4.29 | length 36.6
  Top Layer w0.15: U1.E3@34.6,21 v1(35,20.6)
  Layer 2 w0.15: v1(35,20.6) 37.5,20.6 40.125,20.6 v1(40.9,19.825)
  Layer 7 w0.15: v1(44.246,10.491) 44.109,10.491 43.831,10.769 43.831,11.617 cw(c44.141,11.337) 43.861,11.647 44.248,12.034 44.248,16.852 43.7,17.4 42.186,17.4 41.3,18.286 41.3,19.412 41.047,19.665 41.047,19.678 41.018,19.707 v1(40.9,19.825) 40.871,19.854 40.871,20.008 40.3,20.58 40.3,21.492 43.2,24.392 43.2,28.381 44.219,29.4 44.76,29.94 44.81,29.99 44.85,29.95 44.907,29.893 44.9,29.9 v1(44.8,29.9)
  Bottom Layer w0.25: v1(44.246,10.491) 45.491,10.491 46.25,11.25 U3.29@46.25,11.875 ; v1(44.8,29.9) 45.326,29.9 45.346,29.9 45.6,29.9 45.69,29.99 46.032,30.332 46.25,30.55 U4.29@46.25,31.125
DRV1_2_SIMO_GPIO16: U1.E1 U3.28 U4.28 | length 35.2
  Top Layer w0.15: U1.E1@36.2,21 36.204,20.996 37.5,20.996 38.048,20.996 38.374,21.322 v1(40.942,21.322)
  Layer 7 w0.15: v1(44.6,9.9) 44.687,9.987 44.687,16.858 43.82,17.724 42.304,17.724 41.6,18.429 41.6,19.987 40.942,20.644 v1(40.942,21.322) 40.942,21.597 43.6,24.255 43.6,28.177 44.123,28.7 45.349,28.7 v1(45.9,29.251)
  Bottom Layer w0.2: v1(44.6,9.9) 45.6,9.9 46.75,11.05 U3.28@46.75,11.875
  Bottom Layer w0.25: v1(45.9,29.251) 46.4,29.751 46.4,30 46.75,30.35 U4.28@46.75,31.125